# Altium PCB ARES_R30_Power.PcbDoc (part 2 of 3)
Units mm, origin at the board's own origin, x right, y up, seen from the top; angles counter-clockwise.
Board outline 93 x 99 mm, 6 copper layers (Top Layer, Mid Layer 1, Mid Layer 2, Mid Layer 3, Mid Layer 4, Bottom Layer), stack 1.58 mm thick; 177 components, 92 nets, 527 pads, 732 vias.
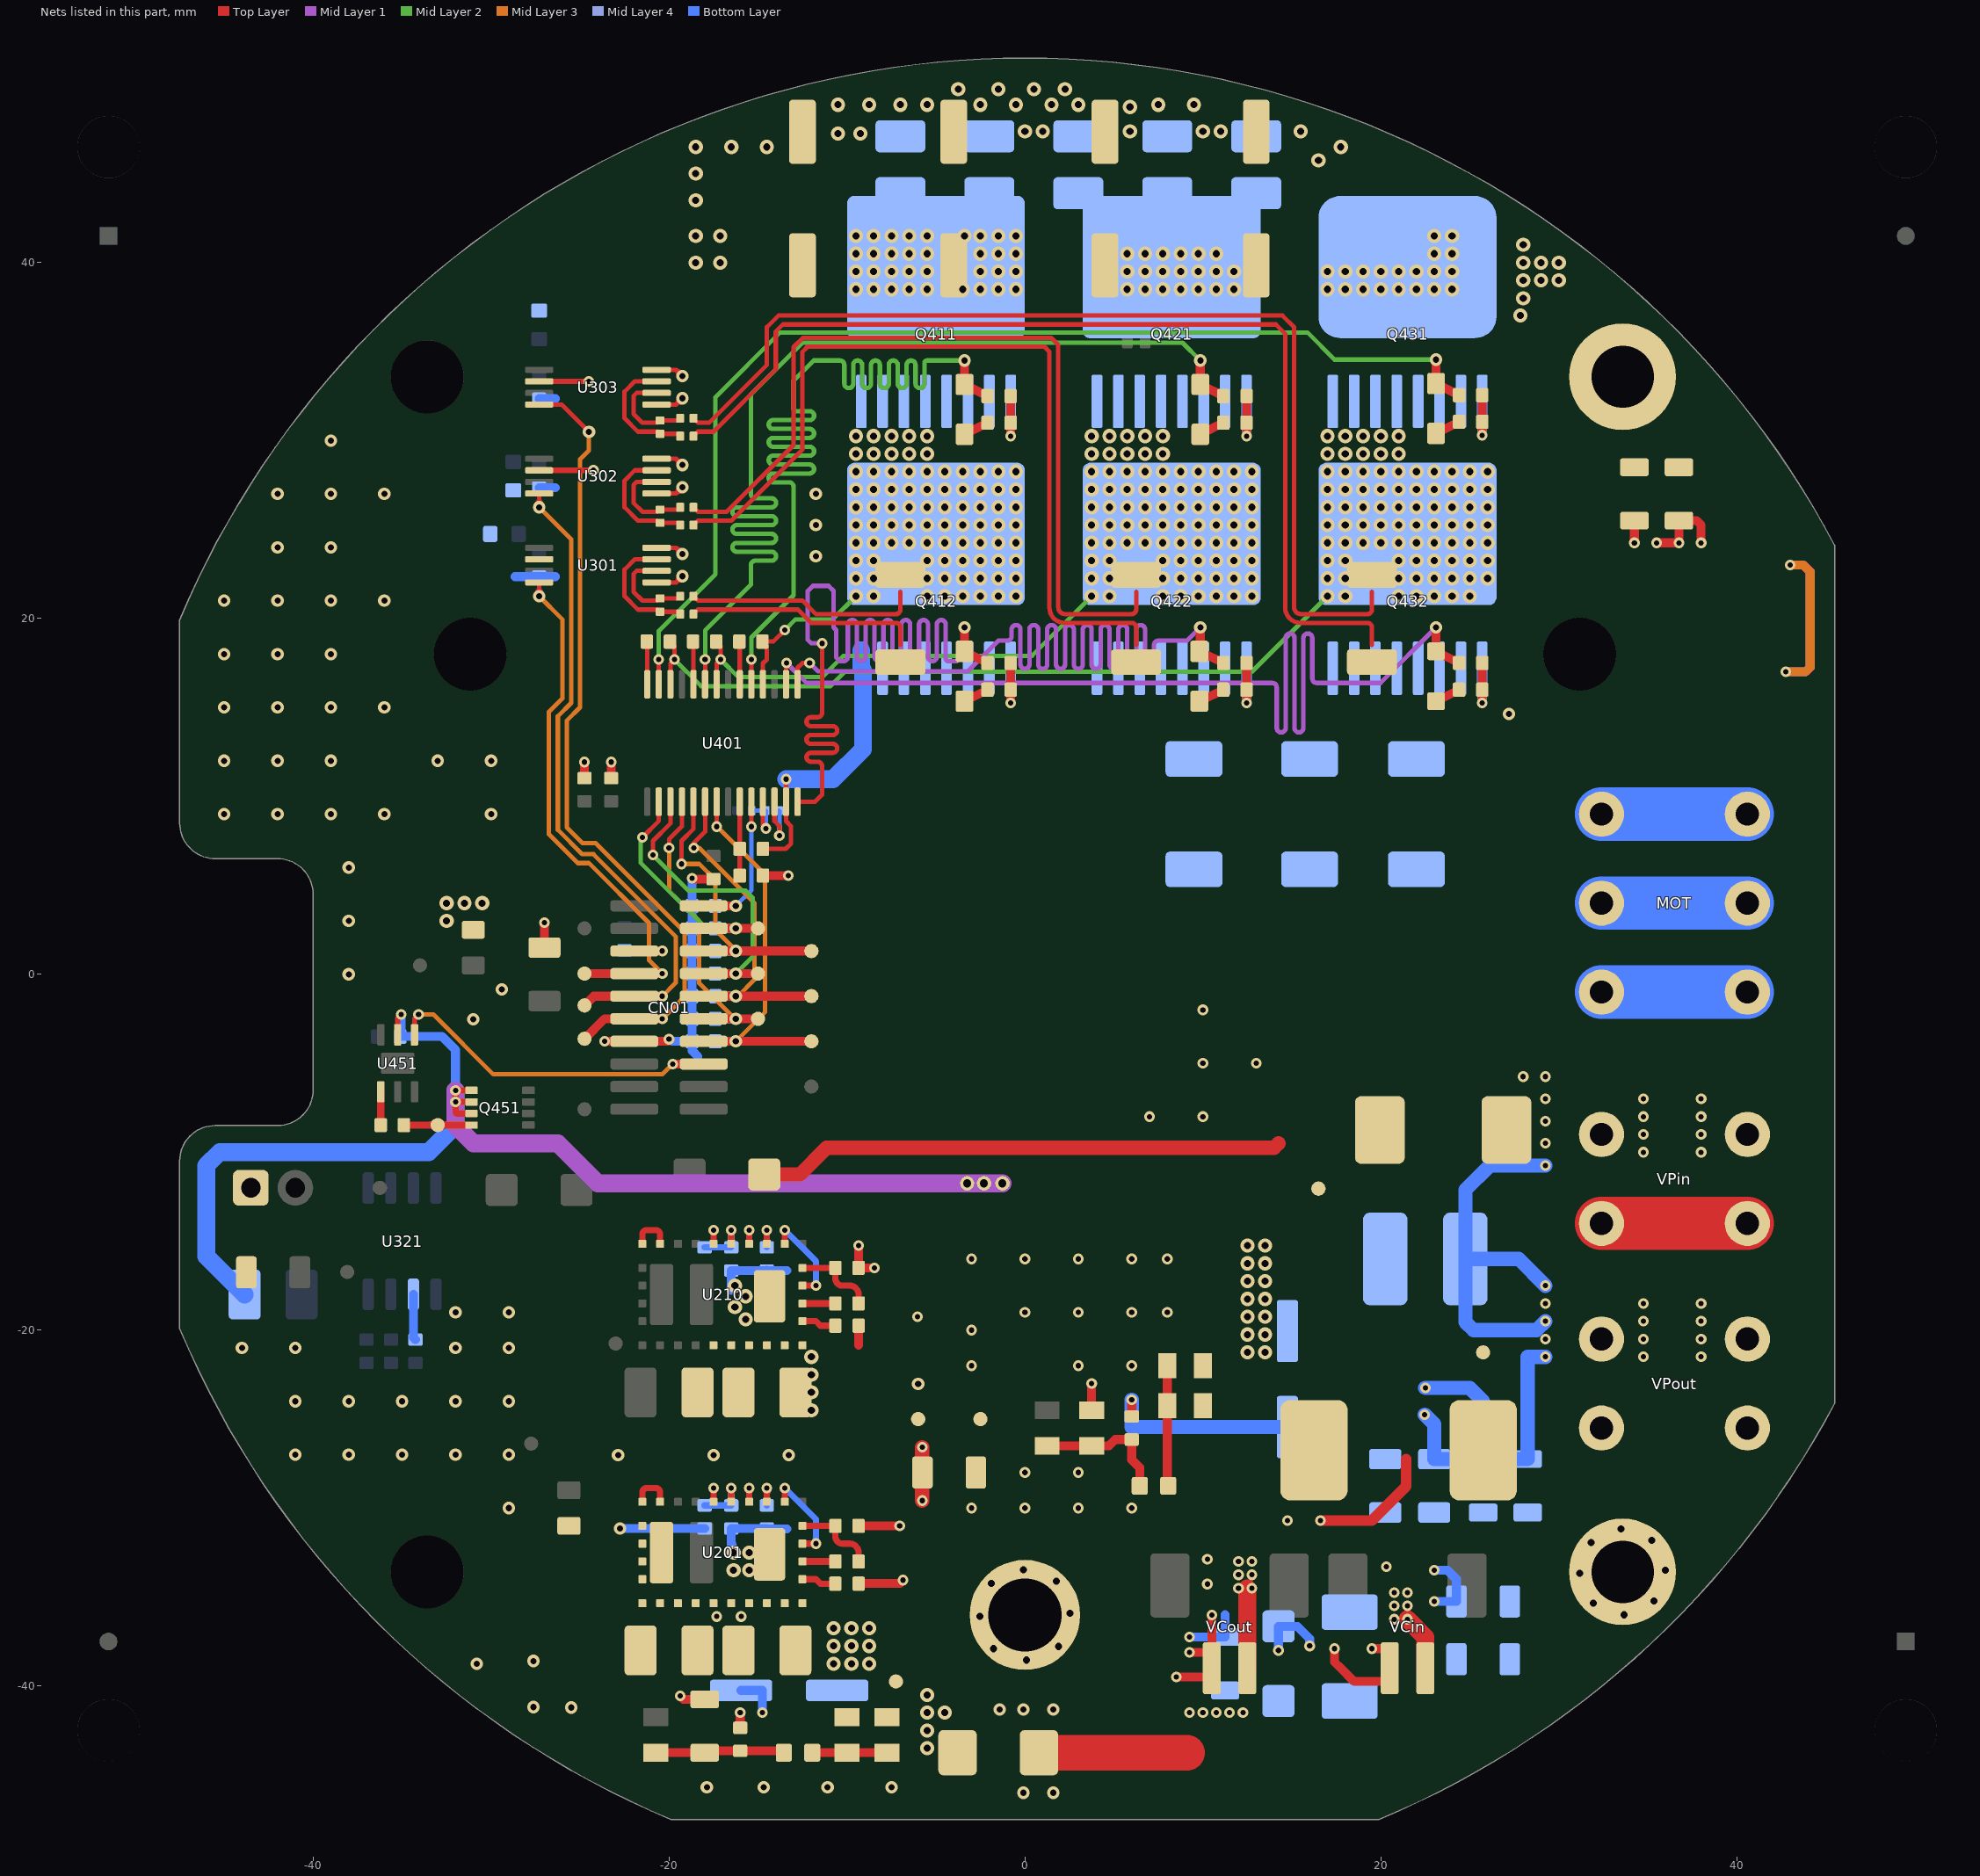
[diagram p6: the nets of this part, all layers, seen from the top]

## Via types
v1: diameter 0.8, hole 0.4, Top Layer to Bottom Layer, 435 vias
v2: diameter 0.6, hole 0.3, Top Layer to Bottom Layer, tented both sides, 164 vias
v3: diameter 0.7, hole 0.35, Top Layer to Bottom Layer, 98 vias
v4: diameter 0.6, hole 0.3, Top Layer to Bottom Layer, 24 vias
v5: diameter 0.8, hole 0.4, Top Layer to Bottom Layer, tented both sides, 7 vias
v6: diameter 0.8, hole 0.45, Top Layer to Bottom Layer, 3 vias
v7: diameter 0.7, hole 0.35, Top Layer to Bottom Layer, tented both sides, 1 vias

## Nets (pads, with @x,y where several pads share a name; then routed paths per layer and width w, separated by ;. In a path a pad name is that pad's centre, name@x,y a point inside that pad or via, vN(x,y) a via of type N, cw(c..) or ccw(c..) an arc to the next point about the centre after c; other vN are vias at no path point) (continued)
DGND: C114.1 C115.1 C116.2 C201.1 C202.2 C203.1 C211.1 C212.2 C213.1 C341.2 C351.2 C353.2 C354.2 C356.2 C357.2 C359.2 C401.1 C402.2 C403.1 C404.1 C405.2 CN01.14 D104.1 DGND.1 L102.2 L103.2 R201.2 R202.2 R205.2 R211.2 R212.2 R215.2 R344.2 R411.2 R412.1 R413.1 R414.1 R415.1 R416.2 R417.2 U201.9 U201.11 U201.24 U201.25 U201.26 U201.EP1 U210.9 U210.11 U210.24 U210.25 U210.26 U210.EP1 U301.1 U301.4 U301.6 U302.1 U302.4 U302.6 U303.1 U303.4 U303.6 U401.12 VCin.1 VCout.1 | length 105.5
  Top Layer w0.25: U301.1@-20.95,22.025 U301.1@-20.7,22.025 -19.6,22.025 ; U301.4@-20.95,23.975 U301.4@-20.7,23.975 -19.6,23.975 ; U302.1@-20.95,27.025 U302.1@-20.7,27.025 -19.6,27.025 ; U302.4@-20.95,28.975 U302.4@-20.7,28.975 -19.6,28.975 ; U303.1@-20.95,32.025 U303.1@-20.7,32.025 -19.6,32.025 ; U303.4@-20.95,33.975 U303.4@-20.7,33.975 -19.6,33.975 ; v3@-19.474,22.36 cw(c-19.905,22.33) -19.6,22.025 ; v3@-19.474,23.64 ccw(c-19.905,23.67) -19.6,23.975 ; v3@-19.474,27.36 cw(c-19.905,27.33) -19.6,27.025 ; v3@-19.474,28.64 ccw(c-19.905,28.67) -19.6,28.975 ; v3@-19.474,32.36 cw(c-19.905,32.33) -19.6,32.025 ; v3@-19.474,33.64 ccw(c-19.905,33.67) -19.6,33.975 ; v3@-19.265,22.151 ccw(c-19.295,21.72) -19.6,22.025 ; v3@-19.265,23.849 cw(c-19.295,24.28) -19.6,23.975 ; v3@-19.265,27.151 ccw(c-19.295,26.72) -19.6,27.025 ; v3@-19.265,28.849 cw(c-19.295,29.28) -19.6,28.975 ; v3@-19.265,32.151 ccw(c-19.295,31.72) -19.6,32.025 ; v3@-19.265,33.849 cw(c-19.295,34.28) -19.6,33.975 ; v3(-19.25,22.375) -19.6,22.025 ; v3(-19.25,23.625) -19.6,23.975 ; v3(-19.25,27.375) -19.6,27.025 ; v3(-19.25,28.625) -19.6,28.975 ; v3(-19.25,32.375) -19.6,32.025 ; v3(-19.25,33.625) -19.6,33.975 ; U401.12@-14.075,9.7 -14.075,8.616 -13.8,8.341 v2(-13.8,7.8)
  Top Layer w0.3: U302.6@-27.3,28.325 v2(-24.25,28.325) ; U303.6@-27.3,33.325 v2(-24.5,33.325)
  Top Layer w0.35: v2@-17.588,-28.963 cw(c-17.802,-29.177) -17.5,-29.177 cw(c-17.198,-29.177) v2@-17.412,-28.963 ; U201.11@-17.5,-29.65 v2(-17.5,-28.875) ; U210.11@-17.5,-15.15 v2(-17.5,-14.375) ; v2@-15.588,-28.963 cw(c-15.802,-29.177) -15.5,-29.177 cw(c-15.198,-29.177) v2@-15.412,-28.963 ; U201.9@-15.5,-29.65 v2(-15.5,-28.875) ; U210.9@-15.5,-15.15 v2(-15.5,-14.375)
  Top Layer w0.5: L102.2@-27,1.5 v2(-27,2.9) ; C405.2@-24.75,11.025 v2(-24.75,11.928) ; v4(-23.625,-3.77) CN01.14@-21.95,-3.77 -20.078,-3.77 -20.002,-3.693 v2(-20.002,-3.648) ; C402.2@-23.25,11.025 v2(-23.25,11.928) ; v2(-19.375,-40.561) -19.186,-40.75 R344.2@-18,-40.75 ; v2(-18.7,5.4) -18.65,5.35 C404.1@-17.5,5.35 ; C341.2@-16,-42.35 v2(-16,-41.5) ; C401.1@-14.725,5.55 v2(-13.3,5.55) ; R201.2@-9.35,-34.25 -9.34,-34.24 -7.038,-34.24 v2(-6.848,-34.05) ; C202.2@-9.35,-31 v2(-7.038,-31) ; -9.35,-20.85 R211.2@-9.35,-19.75 ; v2(-9.35,-15.25) C212.2@-9.35,-16.5 v2(-8.459,-16.5) ; v2(8.5,-39.5) 10.5,-39.5 VCout.1@10.5,-39 VCout.1@10.5,-38.113 ; v2(9.25,-38.113) VCout.1@10.5,-38.113 ; v2(10.5,-36.008) VCout.1@10.5,-38.113 ; v2(17.4,-37.9) 17.4,-38.65 17.75,-39 18.5,-39.75 20.5,-39.75 VCin.1@20.5,-39 20.5,-38 20.4,-37.9 v2(19.5,-37.9)
  Top Layer w0.8: v2(-5.773,-29.581) v2(-5.773,-26.581)
  Bottom Layer w0.25: C403.1@-13.825,9.2 -13.8,9.175 v2(-13.8,7.8)
  Bottom Layer w0.5: -28.65,22.35 C351.2@-27.3,22.35 -26.4,22.35 ; C354.2@-27.3,27.35 -26.4,27.35 ; C357.2@-27.3,32.35 -26.4,32.35 ; v2@-19.825,-3.771 R413.1@-18.725,-3.771 ; R413.1@-18.7,-3.92 -18.7,-4.3 -18.375,-4.625 ; R413.1@-18.7,-3.771 R416.2@-18.7,2.58 v2(-18.7,5.4) ; v1@-16.5,-32.275 R205.2@-16.5,-31.175 ; -16.5,-31.836 ccw(c-15.711,-31.836) v1@-16.269,-32.394 ; R205.2@-16.5,-31.15 R202.2@-14.525,-31.15 ; v1@-16.5,-17.75 R215.2@-16.5,-16.65 R212.2@-14.5,-16.65 ; C116.2@-15.95,-40.25 -14.75,-40.25 v2(-14.75,-41.5) ; -14.5,-32.275 R202.2@-14.5,-31.175 ; -14.5,-17.725 R212.2@-14.5,-16.65 ; R212.2@-14.5,-16.625 R212.2@-14.5,-16.65 ; R202.2@-14.475,-31.175 -13.375,-31.175 ; -13.375,-16.65 R212.2@-14.5,-16.65 ; v2(9.25,-37.25) C115.1@11.25,-37.25 11.25,-36 ; v2(14.25,-38) D104.1@14.25,-36.65 15.309,-36.65 16,-37.341 v2(16,-37.75) ; v2(23,-35.25) C114.1@24.25,-35.25 24.25,-34 23.75,-33.5 v2(23,-33.5)
  other v1: -16.375,-33.5 -15.5,-33.5 -16.375,-32.5 -15.5,-32.5 -15.7,-19.4 -16.3,-18.7 -15.7,-18.1 -16.3,-17.5
  other v2: -17.325,-36.096 -15.95,-36.096 10.25,-34.271 20.316,-33.3 10.25,-32.875 -6.031,-19.25
  other v3: -0.087,-46 1.596,-46 -17.875,-45.7 -14.674,-45.7 -11.091,-45.7 -7.5,-45.7 -1.427,-41.317 -0.087,-41.317 1.596,-41.317 -25.5,-41.21 -27.625,-41.185 -30.805,-38.75 -27.625,-38.595 -29,-30 -22.862,-27.018 -17.5,-27.018 -13.266,-27.018 -41,-27 -38,-27 -35,-27 -32,-27 -29,-27 -41,-24 -38,-24 -35,-24 -32,-24 -29,-24 -6,-23.016 -44,-21 -41,-21 -32,-21 -29,-21 -32,-19 -29,-19 -31,-2.53 -29.4,-0.848 -38,0 -38,3 -38,6 -45,9 -42,9 -39,9 -36,9 -30,9 -45,12 -42,12 -39,12 -33,12 -30,12 -45,15 -42,15 -39,15 -36,15 -45,18 -42,18 -39,18 -45,21 -42,21 -39,21 -36,21 -11.75,23.5 -42,24 -39,24 -11.75,25.25 -42,27 -39,27 -36,27 -11.75,27 -39,30
DRV_COM: Q412.2 Q412.3 Q412.4 Q412.5 Q412.6 Q412.7 Q412.8 Q422.2 Q422.3 Q422.4 Q422.5 Q422.6 Q422.7 Q422.8 Q432.2 Q432.3 Q432.4 Q432.5 Q432.6 Q432.7 Q432.8 R401.1 R461.2 R462.2 R463.2 U401.13 | length 16
  Top Layer w0.25: R401.1@-14.725,7.05 -13.442,7.05 -13.15,7.342 -13.15,8.33 -13.425,8.605 U401.13@-13.425,9.7 v2(-13.425,10.967)
  Bottom Layer w1: v2(-13.425,10.967) -10.783,10.967 -9.1,12.65 -9.1,17.1 Q412.8@-9.2,17.2 Q412.8@-9.2,18.2
FG: C103.1 C104.2 C113.1 C114.2 C131.1 M1.1 M2.1 R131.1
  other v1: 0.088,-38.545 -1.769,-37.901 1.893,-37.777 -2.537,-36.096 33.675,-36 2.538,-35.92 31.944,-35.355 35.355,-35.231 -1.893,-34.239 1.769,-34.115 31.175,-33.675 36,-33.5 -0.087,-33.471 31.82,-31.944 35.231,-31.82 33.5,-31.175
FG2: C131A.1 M7.1 R131A.1
IU: CN01.8 IU.1 U301.8 | length 31.1
  Top Layer w0.25: v3@-27.459,21.409 ccw(c-27.843,21.793) -27.3,21.793 ccw(c-26.757,21.793) v3@-27.141,21.409 ; v3(-27.3,21.25) U301.8@-27.3,22.025
  Top Layer w0.5: IU.1@-24.75,0.04 CN01.8@-21.95,0.04 v4(-20.375,0.04)
  Mid Layer 3 w0.25: v3(-27.3,21.25) -26,19.95 -26,15.5 -26.75,14.75 -26.75,7.875 -25.125,6.25 -24.5,6.25 -21.125,2.875 -21.125,0.79 v4(-20.375,0.04)
IV: CN01.10 IV.1 U302.8 | length 38.2
  Top Layer w0.25: v3@-27.459,26.409 ccw(c-27.843,26.793) -27.3,26.793 ccw(c-26.757,26.793) v3@-27.141,26.409 ; v3(-27.3,26.25) U302.8@-27.3,27.025
  Top Layer w0.5: IV.1@-24.75,-1.75 -24.23,-1.23 CN01.10@-21.95,-1.23 v4(-20.375,-1.23)
  Mid Layer 3 w0.25: v3(-27.3,26.25) -25.5,24.45 -25.5,15.25 -26.25,14.5 -26.25,8.125 -24.875,6.75 -24.25,6.75 -19.625,2.125 -19.625,-0.48 v4(-20.375,-1.23)
IW: CN01.12 IW.1 U303.8 | length 45.5
  Top Layer w0.25: U303.8@-27.3,32.025 -26.034,32.025 v3(-24.5,30.491)
  Top Layer w0.5: IW.1@-24.75,-3.625 -23.625,-2.5 CN01.12@-21.95,-2.5 v4(-20.375,-2.5)
  Mid Layer 3 w0.25: v3(-24.5,30.491) -24.5,29.45 -25,28.95 -25,15 -25.75,14.25 -25.75,8.261 -24.864,7.375 -24.125,7.375 -19.125,2.375 -19.125,-1.25 v4(-20.375,-2.5)
MOT_U: MOT.1 R351.1 RSU.1 | length 21.4
  Top Layer w0.25: R351.1@-18.625,20.25 -18.375,20.5 -12.75,20.5 -12,19.75 -7.25,19.75 cw(c-7.25,19.5) -7,19.5 -7,18.5
  Bottom Layer w3: MOT.1@32.4,-1 MOT.1@40.6,-1
MOT_V: MOT.2 R353.1 RSV.1 | length 56.6
  Top Layer w0.25: R353.1@-18.625,25.25 -18.375,25.5 -16.5,25.5 -12.5,29.5 -12.5,34.988 -12.213,35.275 1.1,35.275 1.375,35 1.375,20.614 ccw(c2.239,20.614) 2.239,19.75 6,19.75 cw(c6,19.5) 6.25,19.5 6.25,18.5
  Bottom Layer w3: MOT.2@32.4,4 MOT.2@40.6,4
MOT_W: MOT.3 R355.1 RSW.1 | length 67.4
  Top Layer w0.25: R355.1@-18.625,30.25 -18.375,30.5 -17.5,30.5 -14,34 -14,36.125 -13.6,36.525 14.1,36.525 14.625,36 14.625,20.614 ccw(c15.489,20.614) 15.489,19.75 19.25,19.75 cw(c19.25,19.5) 19.5,19.5 19.5,18.5
  Bottom Layer w3: MOT.3@32.4,9 MOT.3@40.6,9
NetBRK_1: BRK.1 F141.1
NetBRK_ON_1: BRK_ON.1 Q451.4 R453.1 | length 5.3
  Top Layer w0.4: R453.1@-34.9,-8.475 BRK_ON.1@-33,-8.475 Q451.4@-31.1,-8.475 ; BRK_ON.1@-33.141,-8.616 ccw(c-33.483,-8.958) -33.483,-8.475 ccw(c-33.483,-7.992) BRK_ON.1@-33.141,-8.334 ; BRK_ON.1@-32.859,-8.616 cw(c-32.517,-8.958) -32.517,-8.475 cw(c-32.517,-7.992) BRK_ON.1@-32.859,-8.334
NetC113_2: C113.2 C115.2 D103.1 D104.2 F111.2 | length 8.3
  Top Layer w2: D103.1@0.786,-43.75 9.1,-43.75
  other v2: 9.25,-41.5 10,-41.5 10.75,-41.5 11.5,-41.5 12.25,-41.5
NetC202_1: C202.1 R203.1 U201.5 | length 4.8
  Top Layer w0.35: U201.5@-12.5,-31 C202.1@-10.65,-31 -10.65,-31.6 ccw(c-10.25,-31.6) -10.25,-32 -9.85,-32 cw(c-9.85,-32.5) -9.35,-32.5 R203.1@-9.35,-33
NetC203_2: C203.2 FB211.1 R204.1 U201.16 U201.17 U201.18 U201.19 U201.20 U201.21 U201.22 U201.23 U201.EP2 | length 4.8
  Bottom Layer w0.5: v3(-22.75,-31.15) R204.1@-18,-31.15
NetC212_1: C212.1 R213.1 U210.5 | length 4.8
  Top Layer w0.35: U210.5@-12.5,-16.5 C212.1@-10.65,-16.5 -10.65,-17.1 ccw(c-10.25,-17.1) -10.25,-17.5 -9.85,-17.5 cw(c-9.85,-18) -9.35,-18 R213.1@-9.35,-18.5
NetC323_1: C323.1 U321.6 | length 2.6
  Bottom Layer w0.5: U321.6@-34.365,-17.985 -34.365,-20.423 C323.1@-34.25,-20.538
NetC331_1: C331.1 DCLink.2 R334.1 R335.1 | length 7.7
  Top Layer w0.5: R335.1@1.25,-26.5 R334.1@3.75,-26.5 4.726,-26.5 5.076,-26.15 C331.1@6,-26.15 6,-27.28 6.45,-27.731 DCLink.2@6.45,-28.75
NetC341_1: C341.1 Ctrl.2 R344.1 R345.1 | length 7.3
  Top Layer w0.5: R345.1@-20.75,-43.75 R344.1@-18,-43.75 -17.9,-43.65 C341.1@-16,-43.65 -13.65,-43.65 Ctrl.2@-13.55,-43.75
NetC352_1: C352.1 R352.2 U301.2 | length 5.3
  Top Layer w0.25: U301.2@-20.7,22.675 -21.825,22.675 -22,22.5 -22,21.5 -21.5,21 -20.625,21 C352.1@-20.5,21.125 -19.5,21.125 R352.2@-19.375,21.25
NetC352_2: C352.2 R351.2 U301.3 | length 7.1
  Top Layer w0.25: U301.3@-20.7,23.325 -21.925,23.325 -22.5,22.75 -22.5,21.25 -21.75,20.5 -20.625,20.5 C352.2@-20.5,20.375 -19.5,20.375 R351.2@-19.375,20.25
NetC355_1: C355.1 R354.2 U302.2 | length 5.3
  Top Layer w0.25: U302.2@-20.7,27.675 -21.825,27.675 -22,27.5 -22,26.5 -21.5,26 -20.625,26 C355.1@-20.5,26.125 -19.5,26.125 R354.2@-19.375,26.25
NetC355_2: C355.2 R353.2 U302.3 | length 7.1
  Top Layer w0.25: U302.3@-20.7,28.325 -21.925,28.325 -22.5,27.75 -22.5,26.25 -21.75,25.5 -20.625,25.5 C355.2@-20.5,25.375 -19.5,25.375 R353.2@-19.375,25.25
NetC358_1: C358.1 R356.2 U303.2 | length 5.3
  Top Layer w0.25: U303.2@-20.7,32.675 -21.825,32.675 -22,32.5 -22,31.5 -21.5,31 -20.625,31 C358.1@-20.5,31.125 -19.5,31.125 R356.2@-19.375,31.25
NetC358_2: C358.2 R355.2 U303.3 | length 7.1
  Top Layer w0.25: U303.3@-20.7,33.325 -21.925,33.325 -22.5,32.75 -22.5,31.25 -21.75,30.5 -20.625,30.5 C358.2@-20.5,30.375 -19.5,30.375 R355.2@-19.375,30.25
NetC401_2: C401.2 R401.2 U401.9 | length 4.1
  Top Layer w0.25: C401.2@-16.025,5.55 R401.2@-16.025,7.05 U401.9@-16.025,9.7
NetC421_1: C421.1 U401.20 | length 2.4
  Top Layer w0.25: C421.1@-16.05,18.7 -16.025,18.675 U401.20@-16.025,16.3
NetC431_2: C431.2 U401.24 | length 2.4
  Top Layer w0.25: C431.2@-18.65,18.7 -18.625,18.675 U401.24@-18.625,16.3
NetC441_2: C441.2 U401.28 | length 2.4
  Top Layer w0.25: C441.2@-21.25,18.7 -21.225,18.675 U401.28@-21.225,16.3
NetCtrl_1: Ctrl.1 R341.2 R342.2 | length 4.2
  Top Layer w0.5: Ctrl.1@-11.95,-43.75 R341.2@-10,-43.75 R342.2@-7.75,-43.75
NetD401_1: D401.1 R421.2 | length 1.4
  Top Layer w0.5: D401.1@-3.395,30.35 R421.2@-2.1,31
NetD402_1: D402.1 R423.2 | length 1.4
  Top Layer w0.5: D402.1@-3.395,15.35 R423.2@-2.1,16
NetD403_1: D403.1 R431.2 | length 1.4
  Top Layer w0.5: D403.1@9.855,30.35 R431.2@11.15,31
NetD404_1: D404.1 R433.2 | length 1.4
  Top Layer w0.5: D404.1@9.855,15.35 R433.2@11.15,16
NetD405_1: D405.1 R441.2 | length 1.4
  Top Layer w0.5: D405.1@23.105,30.4 R441.2@24.4,31.05
NetD406_1: D406.1 R443.2 | length 1.4
  Top Layer w0.5: D406.1@23.105,15.35 R443.2@24.4,16
NetDCLink_1: DCLink.1 R331.2 R332.2 | length 6.8
  Top Layer w0.5: R332.2@8,-22 R331.2@8,-24.25 8,-28.7 DCLink.1@8.05,-28.75
NetQ411_1: Q411.1 R421.1 R422.1 | length 4.2
  Top Layer w0.5: v2(-0.8,30.25) R421.1@-0.8,31 R422.1@-0.8,32.5
  Bottom Layer w0.5: v2(-0.8,30.25) Q411.1@-0.8,32.2
NetQ412_1: Q412.1 R423.1 R424.1 | length 4.2
  Top Layer w0.5: v2(-0.8,15.25) R423.1@-0.8,16 R424.1@-0.8,17.5
  Bottom Layer w0.5: v2(-0.8,15.25) Q412.1@-0.8,17.2
NetQ421_1: Q421.1 R431.1 R432.1 | length 4.2
  Top Layer w0.5: v2(12.45,30.25) R431.1@12.45,31 R432.1@12.45,32.5
  Bottom Layer w0.5: v2(12.45,30.25) Q421.1@12.45,32.2
NetQ422_1: Q422.1 R433.1 R434.1 | length 4.2
  Top Layer w0.5: v2(12.45,15.25) R434.1@12.45,17.5
  Bottom Layer w0.5: v2(12.45,15.25) Q422.1@12.45,17.2
NetQ431_1: Q431.1 R441.1 R442.1 | length 4.2
  Top Layer w0.5: v2(25.7,30.3) R441.1@25.7,31.05 R442.1@25.7,32.55
  Bottom Layer w0.5: v2(25.7,30.3) Q431.1@25.7,32.25
NetQ432_1: Q432.1 R443.1 R444.1 | length 4.2
  Top Layer w0.5: v2(25.7,15.25) R443.1@25.7,16 R444.1@25.7,17.5
  Bottom Layer w0.5: v2(25.7,15.25) Q432.1@25.7,17.2
NetR201_1: R201.1 U201.2 | length 2
  Top Layer w0.35: U201.2@-12.5,-34 -11.75,-34 -11.5,-34.25 R201.1@-10.65,-34.25
NetR202_1: R202.1 U201.8 | length 2.7
  Top Layer w0.35: v2@-14.588,-28.963 cw(c-14.802,-29.177) -14.5,-29.177 cw(c-14.198,-29.177) v2@-14.412,-28.963 ; U201.8@-14.5,-29.65 v2(-14.5,-28.875)
  Bottom Layer w0.35: v2@-14.588,-28.963 cw(c-14.802,-29.177) -14.5,-29.177 cw(c-14.198,-29.177) v2@-14.412,-28.963 ; R202.1@-14.5,-29.85 v2(-14.5,-28.875)
NetR203_2: R203.2 U201.3 | length 1.9
  Top Layer w0.4: U201.3@-12.5,-33 R203.2@-10.65,-33
NetR204_2: R204.2 R205.1 U201.10 | length 4.2
  Top Layer w0.35: v2@-16.588,-28.963 cw(c-16.802,-29.177) -16.5,-29.177 cw(c-16.198,-29.177) v2@-16.412,-28.963 ; U201.10@-16.5,-29.65 v2(-16.5,-28.875)
  Bottom Layer w0.35: R204.2@-18,-29.85 R205.1@-16.5,-29.85 v2(-16.5,-28.875) ; v2@-16.588,-28.963 cw(c-16.802,-29.177) -16.5,-29.177 cw(c-16.198,-29.177) v2@-16.412,-28.963
NetR211_1: R211.1 U210.2 | length 2
  Top Layer w0.35: U210.2@-12.5,-19.5 -11.75,-19.5 -11.5,-19.75 R211.1@-10.65,-19.75
NetR212_1: R212.1 U210.8 | length 1.8
  Top Layer w0.35: U210.8@-14.5,-15.15 v2(-14.5,-14.375)
  Bottom Layer w0.35: R212.1@-14.5,-15.35 v2(-14.5,-14.375)
NetR213_2: R213.2 U210.3 | length 1.9
  Top Layer w0.4: U210.3@-12.5,-18.5 R213.2@-10.65,-18.5
NetR214_2: R214.2 R215.1 U210.10 | length 3.3
  Top Layer w0.35: U210.10@-16.5,-15.15 v2(-16.5,-14.375)
  Bottom Layer w0.35: R214.2@-18,-15.35 R215.1@-16.5,-15.35 v2(-16.5,-14.375)
NetR453_2: R453.2 U451.4 | length 1.9
  Top Layer w0.4: R453.2@-36.2,-8.475 U451.4@-36.2,-6.6
NetU201_4: U201.4 U201.7 | length 7.3
  Top Layer w0.35: v2@-13.588,-28.963 cw(c-13.802,-29.177) -13.5,-29.177 cw(c-13.198,-29.177) v2@-13.412,-28.963 ; U201.7@-13.5,-29.65 v2(-13.5,-28.875) ; U201.4@-12.5,-32 v2(-11.75,-32) ; v2@-11.838,-32.088 ccw(c-12.052,-32.302) -12.052,-32 ccw(c-12.052,-31.698) v2@-11.838,-31.912
  Bottom Layer w0.35: v2@-13.5,-29 cw(c-13.5,-29.302) -13.287,-29.088 cw(c-13.073,-28.875) v2@-13.375,-28.875 ; v2(-13.5,-28.875) -11.75,-30.625 v2(-11.75,-32) ; v2@-11.838,-31.912 ccw(c-12.052,-31.698) -11.75,-31.698 ccw(c-11.448,-31.698) v2@-11.662,-31.912
NetU201_14: U201.14 U201.15 | length 2.3
  Top Layer w0.35: U201.15@-21.5,-29.65 -21.5,-29.125 cw(c-21.25,-29.125) -21.25,-28.875 -20.75,-28.875 cw(c-20.75,-29.125) -20.5,-29.125 U201.14@-20.5,-29.65
NetU210_4: U210.4 U210.7 | length 5.4
  Top Layer w0.35: U210.7@-13.5,-15.15 v2(-13.5,-14.375) ; U210.4@-12.5,-17.5 v2(-11.75,-17.5)
  Bottom Layer w0.35: v2(-13.5,-14.375) -11.75,-16.125 v2(-11.75,-17.5)
NetU210_14: U210.14 U210.15 | length 2.3
  Top Layer w0.35: U210.15@-21.5,-15.15 -21.5,-14.625 cw(c-21.25,-14.625) -21.25,-14.375 -20.75,-14.375 cw(c-20.75,-14.625) -20.5,-14.625 U210.14@-20.5,-15.15
PGND: C104.1 C105.1 C121.2 C122.2 C123.2 C124.2 C125.2 C131.2 C131A.2 C132.2 C331.2 C451.2 C452.1 C453.2 C454.2 C455.2 C456.2 D102.1 L103.1 PGND.1 Q451.1 Q451.2 Q451.3 R131.2 R131A.2 R334.2 R461.1 R462.1 R463.1 U451.2 VPin.2 VPout.2 | length 159.5
  Top Layer w0.3: U451.2@-35.25,-3.4 -35.25,-2.452 v4(-35.048,-2.25)
  Top Layer w0.35: v4@-32.088,-7.263 cw(c-32.302,-7.477) -32,-7.477 cw(c-31.698,-7.477) -31.912,-7.263 cw(c-31.698,-7.477) -31.698,-7.175 cw(c-31.698,-6.873) v4@-31.912,-7.087 ; v4@-32.088,-6.613 cw(c-32.302,-6.827) -32,-6.827 cw(c-31.698,-6.827) -31.912,-6.613 cw(c-31.698,-6.827) -31.698,-6.525 cw(c-31.698,-6.223) v4@-31.912,-6.437 ; Q451.3@-31.1,-7.825 -31.925,-7.825 -32,-7.75 v4(-32,-7.175) ; Q451.2@-31.1,-7.175 v4(-32,-7.175) ; Q451.1@-31.1,-6.525 v4(-32,-6.525) v4(-32,-7.175)
  Top Layer w0.5: R334.2@3.75,-24.5 v2(3.75,-23) ; C331.2@6,-24.85 v2(6,-23.919) ; v2(34.25,24.25) C131A.2@34.25,25.5 ; v2(35.5,24.25) v2(36.75,24.25) R131A.2@36.75,25.5 37.75,25.5 38,25.25 v2(38,24.25)
  Top Layer w0.6: v2(16.6,-30.7) 19.5,-30.7 21.425,-28.775 21.425,-27.25
  Mid Layer 1 w1: v4(-32,-6.525) v4(-32,-7.175) -32,-8.5 -31,-9.5 -26.25,-9.5 -24,-11.75 v6(-3.25,-11.75) v6(-2.3,-11.75) v6(-1.263,-11.75)
  Mid Layer 3 w0.5: v2(42.75,17) 43.874,17 44.125,17.251 44.125,22.625 43.75,23 v2(43,23)
  Mid Layer 4 w0.5: v2(42.75,17) 43.874,17 44.125,17.251 44.125,22.625 43.75,23 v2(43,23)
  Bottom Layer w0.5: v4(-35.048,-2.25) -35.048,-3.279 -35.184,-3.416 C451.2@-35.1,-3.5 -32.75,-3.5 -32,-4.25 v4(-32,-6.525)
  Bottom Layer w0.8: v2(6,-23.919) 6,-25.46 6.01,-25.45 C132.2@14.75,-25.45 ; v2(22.467,-24.75) 23,-25.283 C104.1@23,-27.25 R131.2@25.75,-27.25 ; v2(22.5,-23.25) 25,-23.25 25.75,-24 R131.2@25.75,-27.25 ; v2(29.25,-21.5) 28.25,-21.5 C131.2@28.25,-27.25 R131.2@25.75,-27.25 ; v2(29.25,-19.5) 28.75,-20 25.209,-20 24.75,-19.541 C105.1@24.75,-16 ; v2(29.25,-17.5) 27.75,-16 C105.1@24.75,-16 ; v2(29.25,-10.75) 26.124,-10.75 24.75,-12.124 C105.1@24.75,-16
  Bottom Layer w1: C452.1@-43.85,-18 -46,-15.85 -46,-10.75 -45.25,-10 -33.5,-10 -32,-8.5 v4(-32,-7.175) v4(-32,-6.525)
  other v1: 27.846,37.025 28,38 28,39 29,39 30,39 -18.5,40 -17.125,40 28,40 29,40 30,40 28,41 -18.5,41.5 -17.125,41.5 -18.5,43.5 -18.5,45 16.495,45.75 -18.5,46.5 -16.5,46.5 -14.5,46.5 17.75,46.5 -10.5,47.25 -9.25,47.25 0,47.375 1,47.375 5.9,47.375 10,47.375 11,47.375 15.5,47.375 5.9,48.75 -10.5,48.875 -8.75,48.875 -7,48.875 -5.5,48.875 -2.5,48.875 -0.5,48.875 1.5,48.875 3,48.875 7.5,48.875 9.5,48.875 -3.75,49.75 -1.5,49.75 0.5,49.75 2.25,49.75
  other v2: 14.75,-30.7 -3,-30 0,-30 3,-30 6,-30 0,-28 3,-28 -3,-22 3,-22 6,-22 34.75,-21.5 38,-21.5 29.25,-20.5 34.75,-20.5 38,-20.5 -3,-20 34.75,-19.5 38,-19.5 0,-19 3,-19 6,-19 8,-19 29.25,-18.5 34.75,-18.5 38,-18.5 -3,-16 0,-16 3,-16 6,-16 8,-16 34.75,-10 38,-10 29.25,-9.5 34.75,-9 38,-9 29.25,-8.25 7,-8 10,-8 34.75,-8 38,-8 29.25,-7 34.75,-7 38,-7 28,-5.75 29.25,-5.75 10,-5 13,-5 10,-2
  other v3: 27.193,14.638
PH_U: C421.2 Q411.2 Q411.3 Q411.4 Q411.5 Q411.6 Q411.7 Q411.8 Q412.9 R352.1 RSU.2 U401.18 | length 22.1
  Top Layer w0.25: R352.1@-18.625,21.25 -18.375,21 -12.5,21 -11.75,20.25 -7.25,20.25 ccw(c-7.25,20.5) -7,20.5 -7,21.5 ; U401.18@-14.725,16.3 -14.725,17.473 -14.5,17.698 -14.5,18.45 C421.2@-14.75,18.7 -14.145,18.7 v2(-13.5,19.345)
  Mid Layer 2 w0.25: v2(-13.5,19.345) -12.895,19.95 -10.8,19.95 v1(-9.5,21.25)
  other v1: -8.5,21.25 -5.5,21.25 -4.5,21.25 -3.5,21.25 -2.5,21.25 -1.5,21.25 -0.5,21.25 -9.5,22.25 -8.5,22.25 -5.5,22.25 -4.5,22.25 -3.5,22.25 -2.5,22.25 -1.5,22.25 -0.5,22.25 -9.5,23.25 -8.5,23.25 -5.5,23.25 -4.5,23.25 -3.5,23.25 -2.5,23.25 -1.5,23.25 -0.5,23.25 -9.5,24.25 -8.5,24.25 -7.5,24.25 -6.5,24.25 -5.5,24.25 -4.5,24.25 -3.5,24.25 -2.5,24.25 -1.5,24.25 -0.5,24.25 -9.5,25.25 -8.5,25.25 -7.5,25.25 -6.5,25.25 -5.5,25.25 -4.5,25.25 -3.5,25.25 -2.5,25.25 -1.5,25.25 -0.5,25.25 -9.5,26.25 -8.5,26.25 -7.5,26.25 -6.5,26.25 -5.5,26.25 -4.5,26.25 -3.5,26.25 -2.5,26.25 -1.5,26.25 -0.5,26.25 -9.5,27.25 -8.5,27.25 -7.5,27.25 -6.5,27.25 -5.5,27.25 -4.5,27.25 -3.5,27.25 -2.5,27.25 -1.5,27.25 -0.5,27.25 -9.5,28.25 -8.5,28.25 -7.5,28.25 -6.5,28.25 -5.5,28.25 -4.5,28.25 -3.5,28.25 -2.5,28.25 -1.5,28.25 -0.5,28.25 -9.5,29.25 -8.5,29.25 -7.5,29.25 -6.5,29.25 -5.5,29.25 -9.5,30.25 -8.5,30.25 -7.5,30.25 -6.5,30.25 -5.5,30.25
PH_V: C431.1 Q421.2 Q421.3 Q421.4 Q421.5 Q421.6 Q421.7 Q421.8 Q422.9 R354.1 RSV.2 U401.22 | length 74.3
  Top Layer w0.25: R354.1@-18.625,26.25 -18.375,26 -16.75,26 -13,29.75 -13,35.25 -12.475,35.775 1.475,35.775 1.875,35.375 1.875,20.625 ccw(c2.25,20.625) 2.25,20.25 6,20.25 ccw(c6,20.5) 6.25,20.5 6.25,21.5 ; C431.1@-17.35,18.7 -17.1,18.45 v2(-17.1,17.698) -17.325,17.473 U401.22@-17.325,16.3
  Mid Layer 2 w0.25: v2(-17.1,17.698) -16.101,16.7 -11.4,16.7 -10.2,17.9 0.4,17.9 v1(3.75,21.25)
  other v1: 4.75,21.25 7.75,21.25 8.75,21.25 9.75,21.25 10.75,21.25 11.75,21.25 12.75,21.25 3.75,22.25 4.75,22.25 7.75,22.25 8.75,22.25 9.75,22.25 10.75,22.25 11.75,22.25 12.75,22.25 3.75,23.25 4.75,23.25 7.75,23.25 8.75,23.25 9.75,23.25 10.75,23.25 11.75,23.25 12.75,23.25 3.75,24.25 4.75,24.25 5.75,24.25 6.75,24.25 7.75,24.25 8.75,24.25 9.75,24.25 10.75,24.25 11.75,24.25 12.75,24.25 3.75,25.25 4.75,25.25 5.75,25.25 6.75,25.25 7.75,25.25 8.75,25.25 9.75,25.25 10.75,25.25 11.75,25.25 12.75,25.25 3.75,26.25 4.75,26.25 5.75,26.25 6.75,26.25 7.75,26.25 8.75,26.25 9.75,26.25 10.75,26.25 11.75,26.25 12.75,26.25 3.75,27.25 4.75,27.25 5.75,27.25 6.75,27.25 7.75,27.25 8.75,27.25 9.75,27.25 10.75,27.25 11.75,27.25 12.75,27.25 3.75,28.25 4.75,28.25 5.75,28.25 6.75,28.25 7.75,28.25 8.75,28.25 9.75,28.25 10.75,28.25 11.75,28.25 12.75,28.25 3.75,29.25 4.75,29.25 5.75,29.25 6.75,29.25 7.75,29.25 3.75,30.25 4.75,30.25 5.75,30.25 6.75,30.25 7.75,30.25
PH_W: C441.1 Q431.2 Q431.3 Q431.4 Q431.5 Q431.6 Q431.7 Q431.8 Q432.9 R356.1 RSW.2 U401.26 | length 101.4
  Top Layer w0.25: C441.1@-19.95,18.7 -19.7,18.45 v2(-19.7,17.698) -19.925,17.473 U401.26@-19.925,16.3 ; R356.1@-18.625,31.25 -18.375,31 -17.75,31 -14.5,34.25 -14.5,36.375 -13.85,37.025 14.475,37.025 15.125,36.375 15.125,20.625 ccw(c15.5,20.625) 15.5,20.25 19.25,20.25 ccw(c19.25,20.5) 19.5,20.5 19.5,21.5
  Mid Layer 2 w0.25: v2(-19.7,17.698) -18.202,16.2 -10.924,16.2 -10.124,17 12.75,17 v1(17,21.25)
  other v1: 18,21.25 21,21.25 22,21.25 23,21.25 24,21.25 25,21.25 17,22.25 18,22.25 21,22.25 22,22.25 23,22.25 24,22.25 25,22.25 26,22.25 17,23.25 18,23.25 21,23.25 22,23.25 23,23.25 24,23.25 25,23.25 26,23.25 17,24.25 18,24.25 19,24.25 20,24.25 21,24.25 22,24.25 23,24.25 24,24.25 25,24.25 26,24.25 17,25.25 18,25.25 19,25.25 20,25.25 21,25.25 22,25.25 23,25.25 24,25.25 25,25.25 26,25.25 17,26.25 18,26.25 19,26.25 20,26.25 21,26.25 22,26.25 23,26.25 24,26.25 25,26.25 26,26.25 17,27.25 18,27.25 19,27.25 20,27.25 21,27.25 22,27.25 23,27.25 24,27.25 25,27.25 26,27.25 17,28.25 18,28.25 19,28.25 20,28.25 21,28.25 22,28.25 23,28.25 24,28.25 25,28.25 26,28.25 17,29.25 18,29.25 19,29.25 20,29.25 21,29.25 17,30.25 18,30.25 19,30.25 20,30.25 21,30.25
PWM_BRK: CN01.15 U451.1 | length 18.9
  Top Layer w0.25: U451.1@-34.3,-3.4 -34.3,-2.472 v4(-34.078,-2.25)
  Top Layer w0.5: v4(-19.797,-5.04) CN01.15@-18.05,-5.04
  Mid Layer 3 w0.25: v4(-34.078,-2.25) -33.25,-2.25 -29.875,-5.625 -20.382,-5.625 v4(-19.797,-5.04)
PWM_EN: CN01.1 R411.1 U401.10 | length 9.3
  Top Layer w0.25: v2@-15.375,8.198 v2(-15.375,8.3) U401.10@-15.375,9.7
  Top Layer w0.5: CN01.1@-18.05,3.85 v3(-16.25,3.85)
  Bottom Layer w0.25: v3(-16.25,3.85) -15.375,4.725 v2(-15.375,8.3)
  Bottom Layer w0.5: R411.1@-17.4,3.85 v3(-16.25,3.85)
PWM_UN: CN01.13 R413.2 U401.7 UN.1 | length 22.4
  Top Layer w0.25: v2@-17.325,8.361 U401.7@-17.325,9.7
  Top Layer w0.5: CN01.13@-18.05,-3.77 v3(-16.25,-3.77) UN.1@-12,-3.77
  Mid Layer 3 w0.25: v2@-17.3,8.3 -14.6,5.6 -14.6,-2.12 v3(-16.25,-3.77)
  Bottom Layer w0.5: R413.2@-17.4,-3.77 v3(-16.25,-3.77)
  other v2: -17.325,8.3
PWM_UNout: D402.2 R424.2 U401.14 | length 63.5
  Top Layer w0.25: U401.14@-12.775,9.7 -11.8,9.7 -11.4,10.1 -11.4,11.7 ccw(c-11.65,11.7) -11.65,11.95 -12.025,11.95 cw(c-12.025,12.2) -12.275,12.2 cw(c-12.025,12.2) -12.025,12.45 -11.4,12.45 -10.804,12.45 ccw(c-10.804,12.7) -10.554,12.7 ccw(c-10.804,12.7) -10.804,12.95 -11.4,12.95 -12.025,12.95 cw(c-12.025,13.2) -12.275,13.2 cw(c-12.025,13.2) -12.025,13.45 -11.4,13.45 -10.804,13.45 ccw(c-10.804,13.7) -10.554,13.7 ccw(c-10.804,13.7) -10.804,13.95 -11.4,13.95 -12.025,13.95 cw(c-12.025,14.2) -12.275,14.2 cw(c-12.025,14.2) -12.025,14.45 -11.65,14.45 ccw(c-11.65,14.7) -11.4,14.7 -11.4,14.8 v2(-11.4,18.596)
  Top Layer w0.5: v3(-3.395,19.5) D402.2@-3.395,18.15 R424.2@-2.1,17.5
  Mid Layer 1 w0.25: v2(-11.4,18.596) -11.405,18.6 -12,18.6 -12.2,18.8 -12.2,21.55 -11.917,21.833 -11.033,21.833 -10.75,21.55 -10.75,19.495 -10.61,19.355 -10.61,17.81 -10.4,17.6 -10.2,17.6 ccw(c-10.2,17.85) -9.95,17.85 -9.95,19.664 cw(c-9.7,19.664) -9.7,19.914 cw(c-9.7,19.664) -9.45,19.664 -9.45,17.85 ccw(c-9.2,17.85) -9.2,17.6 ccw(c-9.2,17.85) -8.95,17.85 -8.95,19.664 cw(c-8.7,19.664) -8.7,19.914 cw(c-8.7,19.664) -8.45,19.664 -8.45,17.85 ccw(c-8.2,17.85) -8.2,17.6 ccw(c-8.2,17.85) -7.95,17.85 -7.95,19.664 cw(c-7.7,19.664) -7.7,19.914 cw(c-7.7,19.664) -7.45,19.664 -7.45,17.85 ccw(c-7.2,17.85) -7.2,17.6 ccw(c-7.2,17.85) -6.95,17.85 -6.95,19.664 cw(c-6.7,19.664) -6.7,19.914 cw(c-6.7,19.664) -6.45,19.664 -6.45,17.85 ccw(c-6.2,17.85) -6.2,17.6 ccw(c-6.2,17.85) -5.95,17.85 -5.95,19.664 cw(c-5.7,19.664) -5.7,19.914 cw(c-5.7,19.664) -5.45,19.664 -5.45,17.85 ccw(c-5.2,17.85) -5.2,17.6 ccw(c-5.2,17.85) -4.95,17.85 -4.95,19.664 cw(c-4.7,19.664) -4.7,19.914 cw(c-4.7,19.664) -4.45,19.664 -4.45,17.75 ccw(c-4.3,17.75) -4.3,17.6 -3.835,17.6 -3.395,18.04 v3(-3.395,19.5)
PWM_UP: CN01.11 R412.2 U401.4 UP.1 | length 18.3
  Top Layer w0.25: v2(-20,7.1) -20,7.6 -19.275,8.325 U401.4@-19.275,9.7
  Top Layer w0.5: CN01.11@-18.05,-2.5 v3(-16.25,-2.5) UP.1@-15,-2.5
  Mid Layer 3 w0.25: v2(-20,7.1) -20,4.7 -18.3,3 -18.3,-0.5 -16.3,-2.5 v3(-16.25,-2.5)
  Bottom Layer w0.5: R412.2@-17.4,-2.5 v3(-16.25,-2.5)
PWM_UPout: D401.2 R422.2 U401.19 | length 62.9
  Top Layer w0.25: U401.19@-15.375,16.3 v2(-15.375,17.7)
  Top Layer w0.5: v3(-3.395,34.5) D401.2@-3.395,33.15 R422.2@-2.1,32.5
  Mid Layer 2 w0.25: v2(-15.375,17.7) -15.375,18.925 -13,21.3 -13,27.4 ccw(c-13.25,27.4) -13.25,27.65 -14.15,27.65 cw(c-14.15,27.9) -14.4,27.9 cw(c-14.15,27.9) -14.15,28.15 -13,28.15 -12.1,28.15 ccw(c-12.1,28.4) -11.85,28.4 ccw(c-12.1,28.4) -12.1,28.65 -13,28.65 -14.15,28.65 cw(c-14.15,28.9) -14.4,28.9 cw(c-14.15,28.9) -14.15,29.15 -13,29.15 -12.1,29.15 ccw(c-12.1,29.4) -11.85,29.4 ccw(c-12.1,29.4) -12.1,29.65 -13,29.65 -14.15,29.65 cw(c-14.15,29.9) -14.4,29.9 cw(c-14.15,29.9) -14.15,30.15 -13,30.15 -12.1,30.15 ccw(c-12.1,30.4) -11.85,30.4 ccw(c-12.1,30.4) -12.1,30.65 -13,30.65 -14.15,30.65 cw(c-14.15,30.9) -14.4,30.9 cw(c-14.15,30.9) -14.15,31.15 -13,31.15 -12.1,31.15 ccw(c-12.1,31.4) -11.85,31.4 ccw(c-12.1,31.4) -12.1,31.65 -12.85,31.65 cw(c-12.85,31.8) -13,31.8 -13,33.365 -11.865,34.5 -10.9,34.5 -10.65,34.5 -10.4,34.5 cw(c-10.4,34.25) -10.15,34.25 -10.15,33.197 ccw(c-9.9,33.197) -9.9,32.947 ccw(c-9.9,33.197) -9.65,33.197 -9.65,34.25 cw(c-9.4,34.25) -9.4,34.5 cw(c-9.4,34.25) -9.15,34.25 -9.15,33.197 ccw(c-8.9,33.197) -8.9,32.947 ccw(c-8.9,33.197) -8.65,33.197 -8.65,34.25 cw(c-8.4,34.25) -8.4,34.5 cw(c-8.4,34.25) -8.15,34.25 -8.15,33.197 ccw(c-7.9,33.197) -7.9,32.947 ccw(c-7.9,33.197) -7.65,33.197 -7.65,34.25 cw(c-7.4,34.25) -7.4,34.5 cw(c-7.4,34.25) -7.15,34.25 -7.15,33.197 ccw(c-6.9,33.197) -6.9,32.947 ccw(c-6.9,33.197) -6.65,33.197 -6.65,34.25 cw(c-6.4,34.25) -6.4,34.5 cw(c-6.4,34.25) -6.15,34.25 -6.15,33.197 ccw(c-5.9,33.197) -5.9,32.947 ccw(c-5.9,33.197) -5.65,33.197 -5.65,34.35 cw(c-5.5,34.35) -5.5,34.5 v3(-3.395,34.5)
PWM_VN: CN01.9 R415.2 U401.6 VN.1 | length 20.5
  Top Layer w0.25: v2(-18.6,7.1) -18.6,7.395 -17.975,8.02 U401.6@-17.975,9.7
  Top Layer w0.5: CN01.9@-18.05,-1.23 v3(-16.25,-1.23) VN.1@-12,-1.23
  Mid Layer 3 w0.25: v2(-18.6,7.1) -18.3,7.1 -15.2,4 -15.2,-0.3 -16.13,-1.23 v3(-16.25,-1.23)
  Bottom Layer w0.5: R415.2@-17.4,-1.23 v3(-16.25,-1.23)
PWM_VNout: D404.2 R434.2 U401.15 | length 63.4
  Top Layer w0.25: U401.15@-12.775,16.3 -12.775,17.225 -12.5,17.5 v2(-12.1,17.5)
  Top Layer w0.5: v3(9.855,19.5) 9.855,18.15 R434.2@11.15,17.5
  Mid Layer 1 w0.25: v2(-12.1,17.5) -11.625,17.025 -3.215,17.025 -1.49,18.75 -1,18.75 ccw(c-1,19) -0.75,19 -0.75,19.379 cw(c-0.5,19.379) -0.5,19.629 cw(c-0.5,19.379) -0.25,19.379 -0.25,18.75 -0.25,17.417 ccw(c0,17.417) 0,17.167 ccw(c0,17.417) 0.25,17.417 0.25,18.75 0.25,19.379 cw(c0.5,19.379) 0.5,19.629 cw(c0.5,19.379) 0.75,19.379 0.75,18.75 0.75,17.417 ccw(c1,17.417) 1,17.167 ccw(c1,17.417) 1.25,17.417 1.25,18.75 1.25,19.379 cw(c1.5,19.379) 1.5,19.629 cw(c1.5,19.379) 1.75,19.379 1.75,18.75 1.75,17.417 ccw(c2,17.417) 2,17.167 ccw(c2,17.417) 2.25,17.417 2.25,18.75 2.25,19.379 cw(c2.5,19.379) 2.5,19.629 cw(c2.5,19.379) 2.75,19.379 2.75,18.75 2.75,17.417 ccw(c3,17.417) 3,17.167 ccw(c3,17.417) 3.25,17.417 3.25,18.75 3.25,19.379 cw(c3.5,19.379) 3.5,19.629 cw(c3.5,19.379) 3.75,19.379 3.75,18.75 3.75,17.417 ccw(c4,17.417) 4,17.167 ccw(c4,17.417) 4.25,17.417 4.25,18.75 4.25,19.379 cw(c4.5,19.379) 4.5,19.629 cw(c4.5,19.379) 4.75,19.379 4.75,18.75 4.75,17.417 ccw(c5,17.417) 5,17.167 ccw(c5,17.417) 5.25,17.417 5.25,18.75 5.25,19.379 cw(c5.5,19.379) 5.5,19.629 cw(c5.5,19.379) 5.75,19.379 5.75,18.75 5.75,17.417 ccw(c6,17.417) 6,17.167 ccw(c6,17.417) 6.25,17.417 6.25,18.75 6.25,19.379 cw(c6.5,19.379) 6.5,19.629 cw(c6.5,19.379) 6.75,19.379 6.75,18.75 6.75,17.417 ccw(c7,17.417) 7,17.167 ccw(c7,17.417) 7.25,17.417 7.25,18.5 cw(c7.5,18.5) 7.5,18.75 8,18.75 8.712,18.75 9.105,18.75 v3(9.855,19.5)
PWM_VP: CN01.7 R414.2 U401.3 VP.1 | length 18.9
  Top Layer w0.25: v2(-20.9,6.7) -20.9,7.5 -19.925,8.475 U401.3@-19.925,9.7
  Top Layer w0.5: CN01.7@-18.05,0.04 v3(-16.25,0.04) VP.1@-15,0.04
  Mid Layer 2 w0.25: v2(-20.9,6.7) -18.9,4.7 -15.7,4.7 -15.3,4.3 -15.3,0.99 v3(-16.25,0.04)
  Bottom Layer w0.5: R414.2@-17.4,0.04 v3(-16.25,0.04)
PWM_VPout: D403.2 R432.2 U401.23 | length 62.9
  Top Layer w0.25: U401.23@-17.975,16.3 v2(-17.975,17.7)
  Top Layer w0.5: v3(9.855,34.5) D403.2@9.855,33.15 R432.2@11.15,32.5
  Mid Layer 2 w0.25: v2(-17.975,17.7) -17.975,19.325 -15.4,21.9 -15.4,22.5 -15.4,22.75 -15.4,23 cw(c-15.15,23) -15.15,23.25 -14.236,23.25 ccw(c-14.236,23.5) -13.986,23.5 ccw(c-14.236,23.5) -14.236,23.75 -15.4,23.75 -16.189,23.75 cw(c-16.189,24) -16.439,24 cw(c-16.189,24) -16.189,24.25 -15.4,24.25 -14.236,24.25 ccw(c-14.236,24.5) -13.986,24.5 ccw(c-14.236,24.5) -14.236,24.75 -15.4,24.75 -16.189,24.75 cw(c-16.189,25) -16.439,25 cw(c-16.189,25) -16.189,25.25 -15.4,25.25 -14.236,25.25 ccw(c-14.236,25.5) -13.986,25.5 ccw(c-14.236,25.5) -14.236,25.75 -15.4,25.75 -16.189,25.75 cw(c-16.189,26) -16.439,26 cw(c-16.189,26) -16.189,26.25 -15.4,26.25 -14.236,26.25 ccw(c-14.236,26.5) -13.986,26.5 ccw(c-14.236,26.5) -14.236,26.75 -15.15,26.75 cw(c-15.15,27) -15.4,27 -15.4,28 -15.4,32.6 -12.5,35.5 8.855,35.5 v3(9.855,34.5)
PWM_WN: CN01.5 R417.1 U401.5 WN.1 | length 17.7
  Top Layer w0.25: v2(-19.3,6.2) -19.3,7.5 -18.625,8.175 U401.5@-18.625,9.7
  Top Layer w0.5: CN01.5@-18.05,1.31 v3(-16.25,1.31) WN.1@-12,1.31
  Mid Layer 3 w0.25: v2(-19.3,6.2) -18.3,6.2 -17.4,5.3 -17.4,2.5 -16.25,1.35 v3(-16.25,1.31)
  Bottom Layer w0.5: R417.1@-17.4,1.31 v3(-16.25,1.31)
PWM_WNout: D406.2 R444.2 U401.16 | length 63.4
  Top Layer w0.25: U401.16@-13.425,16.3 -13.425,17.475 v2(-13.4,17.5)
  Top Layer w0.5: v3(23.105,19.5) D406.2@23.105,18.15 R444.2@24.4,17.5
  Mid Layer 1 w0.25: v2(-13.4,17.5) -12.275,16.375 13.4,16.375 13.65,16.375 13.9,16.375 cw(c13.9,16.125) 14.15,16.125 14.15,13.846 ccw(c14.4,13.846) 14.4,13.596 ccw(c14.4,13.846) 14.65,13.846 14.65,16.375 14.65,18.904 cw(c14.9,18.904) 14.9,19.154 cw(c14.9,18.904) 15.15,18.904 15.15,16.375 15.15,13.846 ccw(c15.4,13.846) 15.4,13.596 ccw(c15.4,13.846) 15.65,13.846 15.65,16.375 15.65,18.904 cw(c15.9,18.904) 15.9,19.154 cw(c15.9,18.904) 16.15,18.904 16.15,16.625 ccw(c16.4,16.625) 16.4,16.375 17,16.375 17.4,16.375 19.98,16.375 v3(23.105,19.5)
PWM_WP: CN01.3 R416.1 U401.2 WP.1 | length 14.9
  Top Layer w0.25: v2(-21.5,7.7) -20.575,8.625 U401.2@-20.575,9.7
  Top Layer w0.5: CN01.3@-18.05,2.58 v3(-16.25,2.58) WP.1@-15,2.58
  Mid Layer 2 w0.25: v2(-21.5,7.7) -21.6,7.6 -21.6,6.273 -17.907,2.58 v3(-16.25,2.58)
  Bottom Layer w0.5: R416.1@-17.4,2.58 v3(-16.25,2.58)
PWM_WPout: D405.2 R442.2 U401.27 | length 62.9
  Top Layer w0.25: U401.27@-20.575,16.3 v2(-20.575,17.7)
  Top Layer w0.5: v3(23.105,34.55) D405.2@23.105,33.2 R442.2@24.4,32.55
  Mid Layer 2 w0.25: v2(-20.575,17.7) -20.575,19.303 -17.4,22.478 -17.4,32.425 -13.75,36.075 15.874,36.075 17.398,34.55 v3(23.105,34.55)
RCIN: C403.2 R418.1 U401.11 | length 3.4
  Top Layer w0.25: U401.11@-14.725,9.7 -14.725,8.373 v2(-14.55,8.198)
  Bottom Layer w0.25: R418.1@-15.35,9.2 C403.2@-14.575,9.2 -14.55,9.175 v2(-14.55,8.198)
V3_3D: CN01.6 FB241.1 R402.1 | length 3.7
  Top Layer w0.5: CN01.6@-21.95,1.31 v4(-20.375,1.31)
  Bottom Layer w0.5: R402.1@-22.5,1.35 v4(-20.375,1.31)
  other v1: -32.5,3 -32.5,4 -31.5,4 -30.5,4
V24C: C116.1 C201.2 C211.2 D103.2 R341.1 R342.1 U201.1 U201.27 U201.28 U210.1 U210.27 U210.28 VCP.1
  other v1: -5.5,-43.5 -5.5,-42.5 -5.5,-41.5 -4.5,-41.5 -5.5,-40.5 -9.75,-38.75 -8.75,-38.75 -9.75,-37.75 -8.75,-37.75 -9.75,-36.75 -8.75,-36.75
  other v5: -10.75,-38.75 -10.75,-37.75 -10.75,-36.75 -12,-24.5 -12,-23.5 -12,-22.5 -12,-21.5
V24in: F111.1 VCin.2 VCout.2 | length 7.7
  Top Layer w1: VCout.2@12.5,-39 v2@12.5,-34.5 ; v2(21.5,-36.25) 22.5,-37.25 VCin.2@22.5,-39
  other v2: 20.75,-36.25 20.75,-35.5 21.5,-35.5 20.75,-34.75 21.5,-34.75 12,-34.5 12.75,-34.5 12,-33.75 12.75,-33.75 12,-33 12.75,-33
V48in: F101.1 V48in.1 VPin.1 VPout.1 | length 8.2
  Top Layer w3: VPin.1@32.4,-14 VPin.1@40.6,-14
V48P: C103.2 C105.2 C121.1 C122.1 C123.1 C124.1 C125.1 C132.1 C453.1 C454.1 C455.1 C456.1 D102.2 D451.1 F101.2 Q411.9 Q421.9 Q431.9 R331.1 R332.1 VPP.1 | length 29.6
  Top Layer w0.8: D451.1@-14.65,-11.25 -12.649,-11.25 -11.149,-9.75 14,-9.75 14.25,-9.5
  other v1: 12.5,-21.25 13.5,-21.25 12.5,-20.25 13.5,-20.25 12.5,-19.25 13.5,-19.25 12.5,-18.25 13.5,-18.25 12.5,-17.25 13.5,-17.25 12.5,-16.25 13.5,-16.25 12.5,-15.25 13.5,-15.25 -9.5,38.5 -8.5,38.5 -7.5,38.5 -6.5,38.5 -5.5,38.5 -3.5,38.5 -2.5,38.5 -1.5,38.5 -0.5,38.5 5.75,38.5 6.75,38.5 7.75,38.5 8.75,38.5 9.75,38.5 10.75,38.5 11.75,38.5 17,38.5 18,38.5 19,38.5 20,38.5 21,38.5 22,38.5 23,38.5 24,38.5 -9.5,39.5 -8.5,39.5 -7.5,39.5 -6.5,39.5 -5.5,39.5 -2.5,39.5 -1.5,39.5 -0.5,39.5 5.75,39.5 6.75,39.5 7.75,39.5 8.75,39.5 9.75,39.5 10.75,39.5 11.75,39.5 17,39.5 18,39.5 19,39.5 20,39.5 21,39.5 22,39.5 23,39.5 24,39.5 -9.5,40.5 -8.5,40.5 -7.5,40.5 -6.5,40.5 -5.5,40.5 -2.5,40.5 -1.5,40.5 -0.5,40.5 5.75,40.5 6.75,40.5 7.75,40.5 8.75,40.5 9.75,40.5 10.75,40.5 23,40.5 24,40.5 -9.5,41.5 -8.5,41.5 -7.5,41.5 -6.5,41.5 -5.5,41.5 -3.395,41.5 -2.5,41.5 -1.5,41.5 -0.5,41.5 23,41.5 24,41.5
pads on no net: M3.1 M4.1 M5.1 M8.1 U201.6 U201.12 U201.13 U201.EP3 U210.6 U210.12 U210.13 U210.EP3 U401.17 U401.21 U401.25 U451.7 VCin.3 VCin.4 VCout.3 VCout.4
copper on no net: | length 57.1
  Top Layer w0.25: -52.5,40.5 -50.5,40.5 -50.5,42.5 -52.5,42.5 -52.5,40.5 ; -50.5,-37.5 ccw(c-51.5,-37.5) -50.5,-37.5 ; 48.5,-38.5 50.5,-38.5 50.5,-36.5 48.5,-36.5 48.5,-38.5 ; 50.5,41.5 ccw(c49.5,41.5) 50.5,41.5
  Bottom Layer w0.25: -52.5,40.5 -50.5,40.5 -50.5,42.5 -52.5,42.5 -52.5,40.5 ; -50.5,-37.5 ccw(c-51.5,-37.5) -50.5,-37.5 ; 48.5,-38.5 48.5,-36.5 50.5,-36.5 50.5,-38.5 48.5,-38.5 ; 50.5,41.5 ccw(c49.5,41.5) 50.5,41.5